# Allegro board nu_2000_main_211102_02.brd
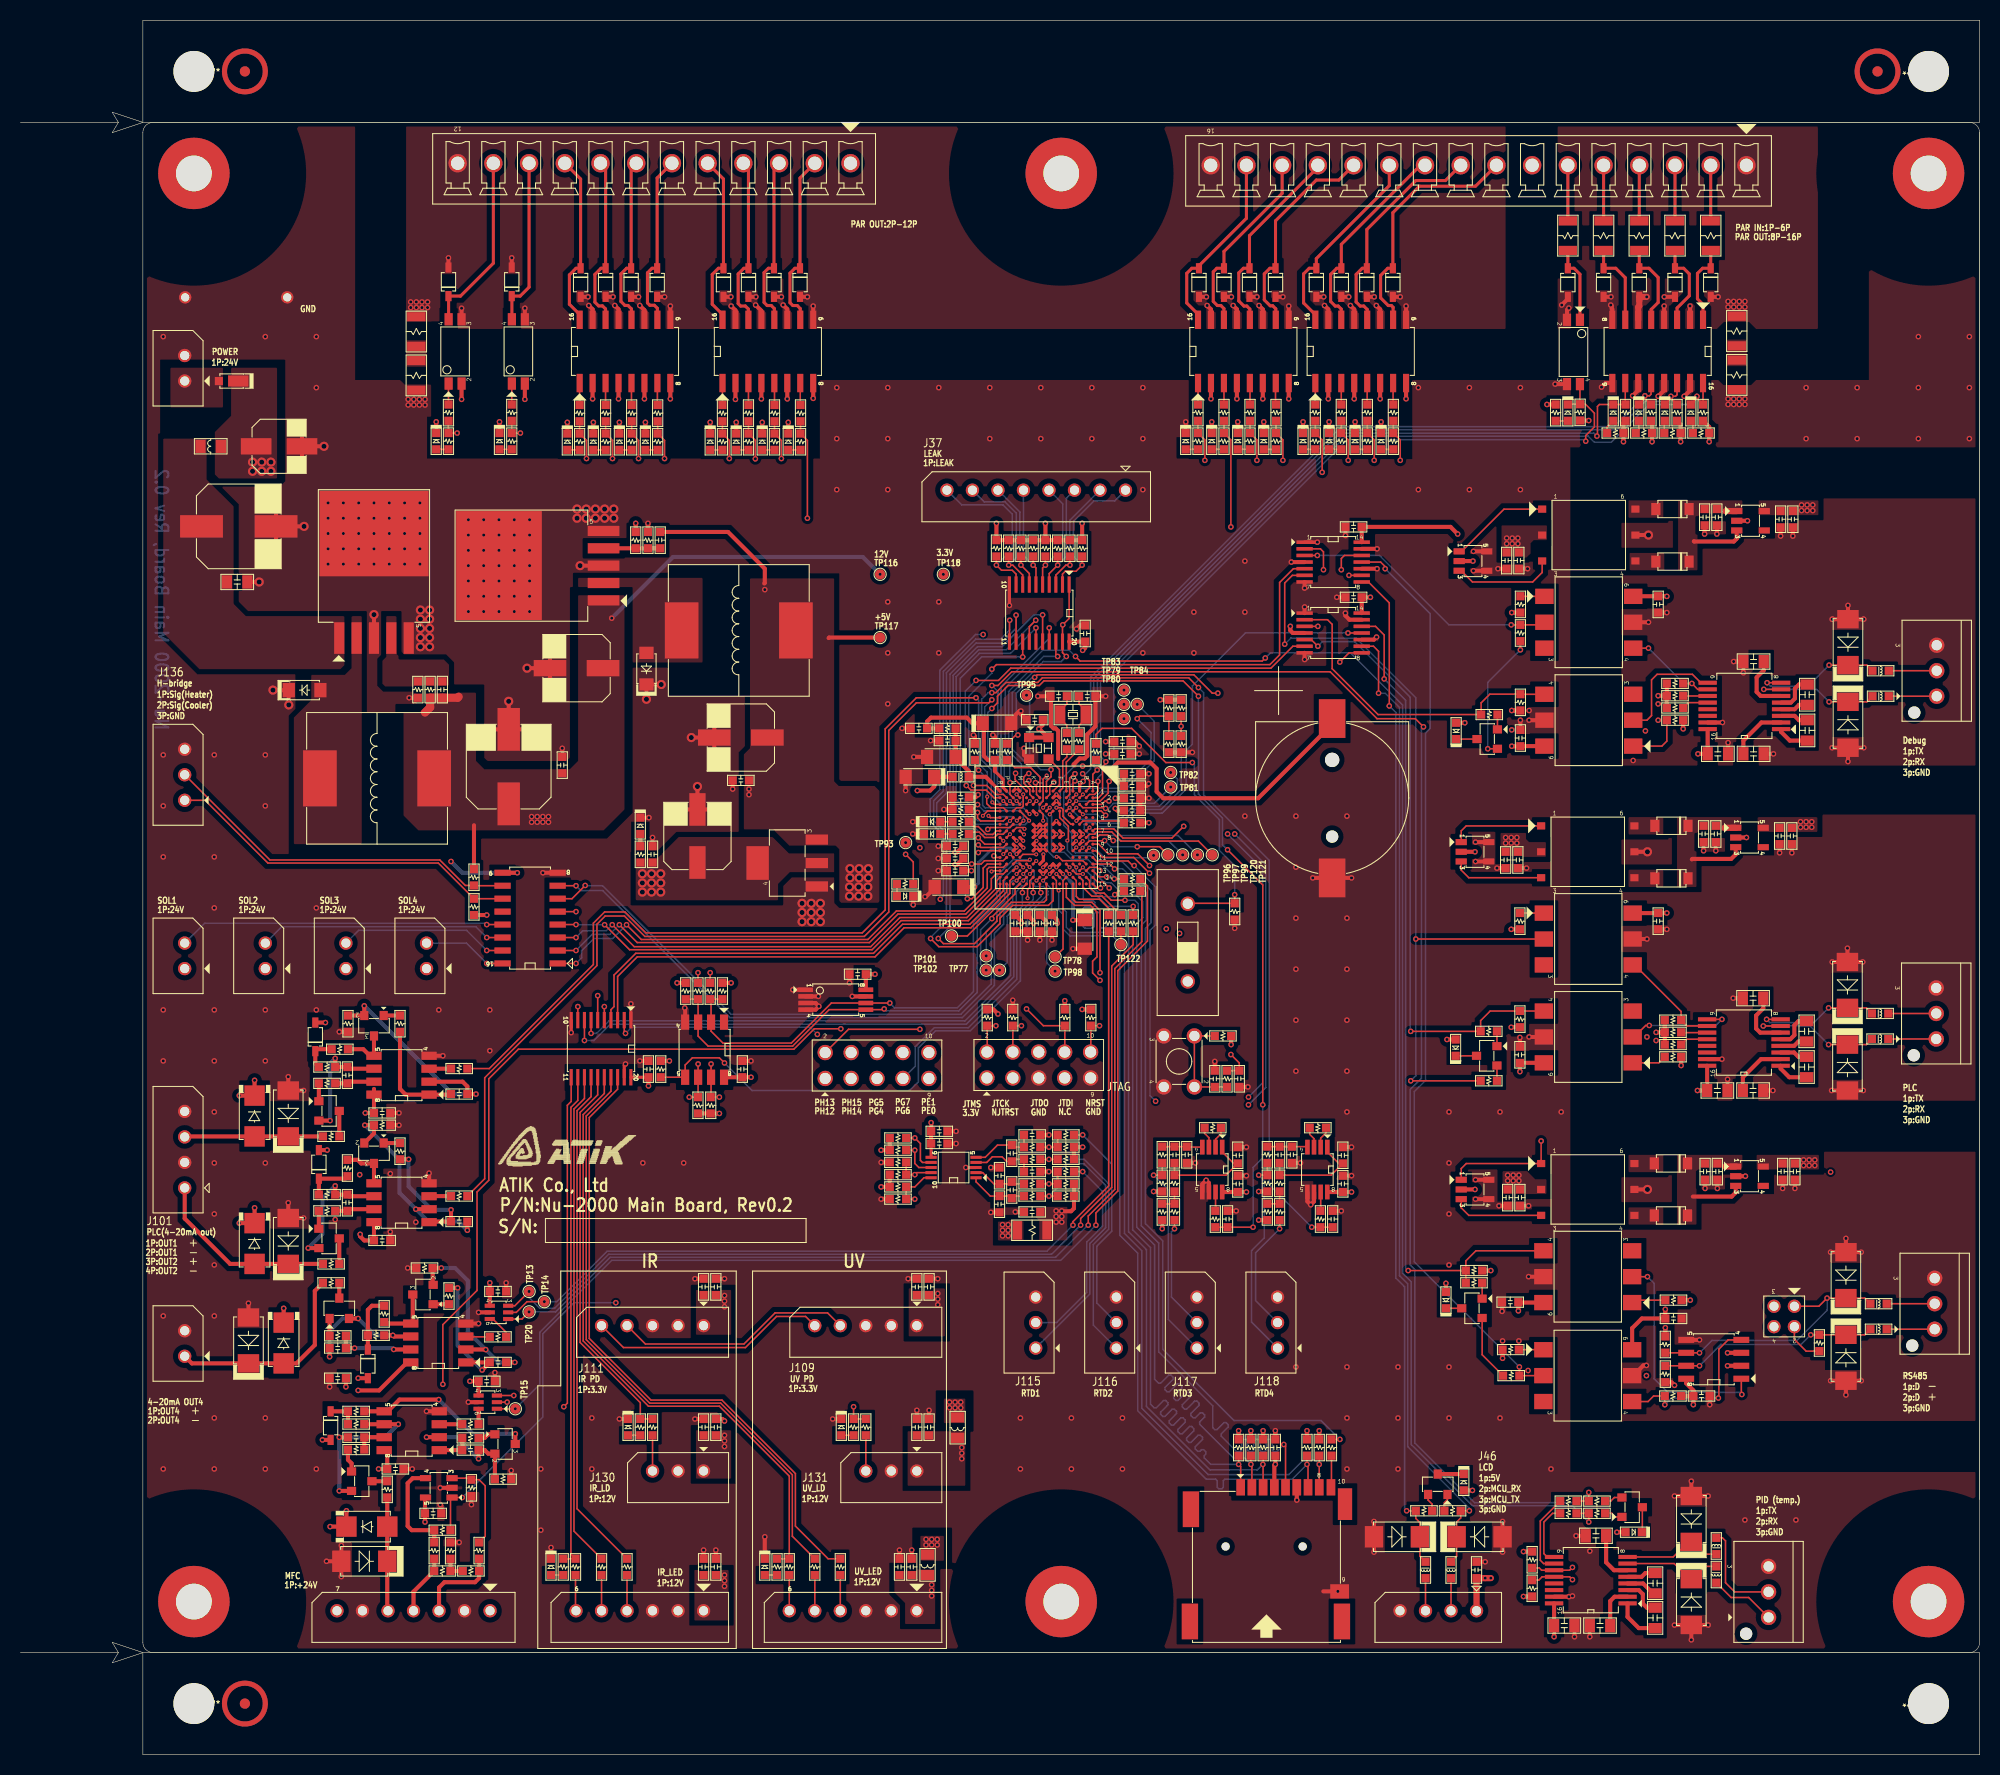
[diagram p0: board, top side]
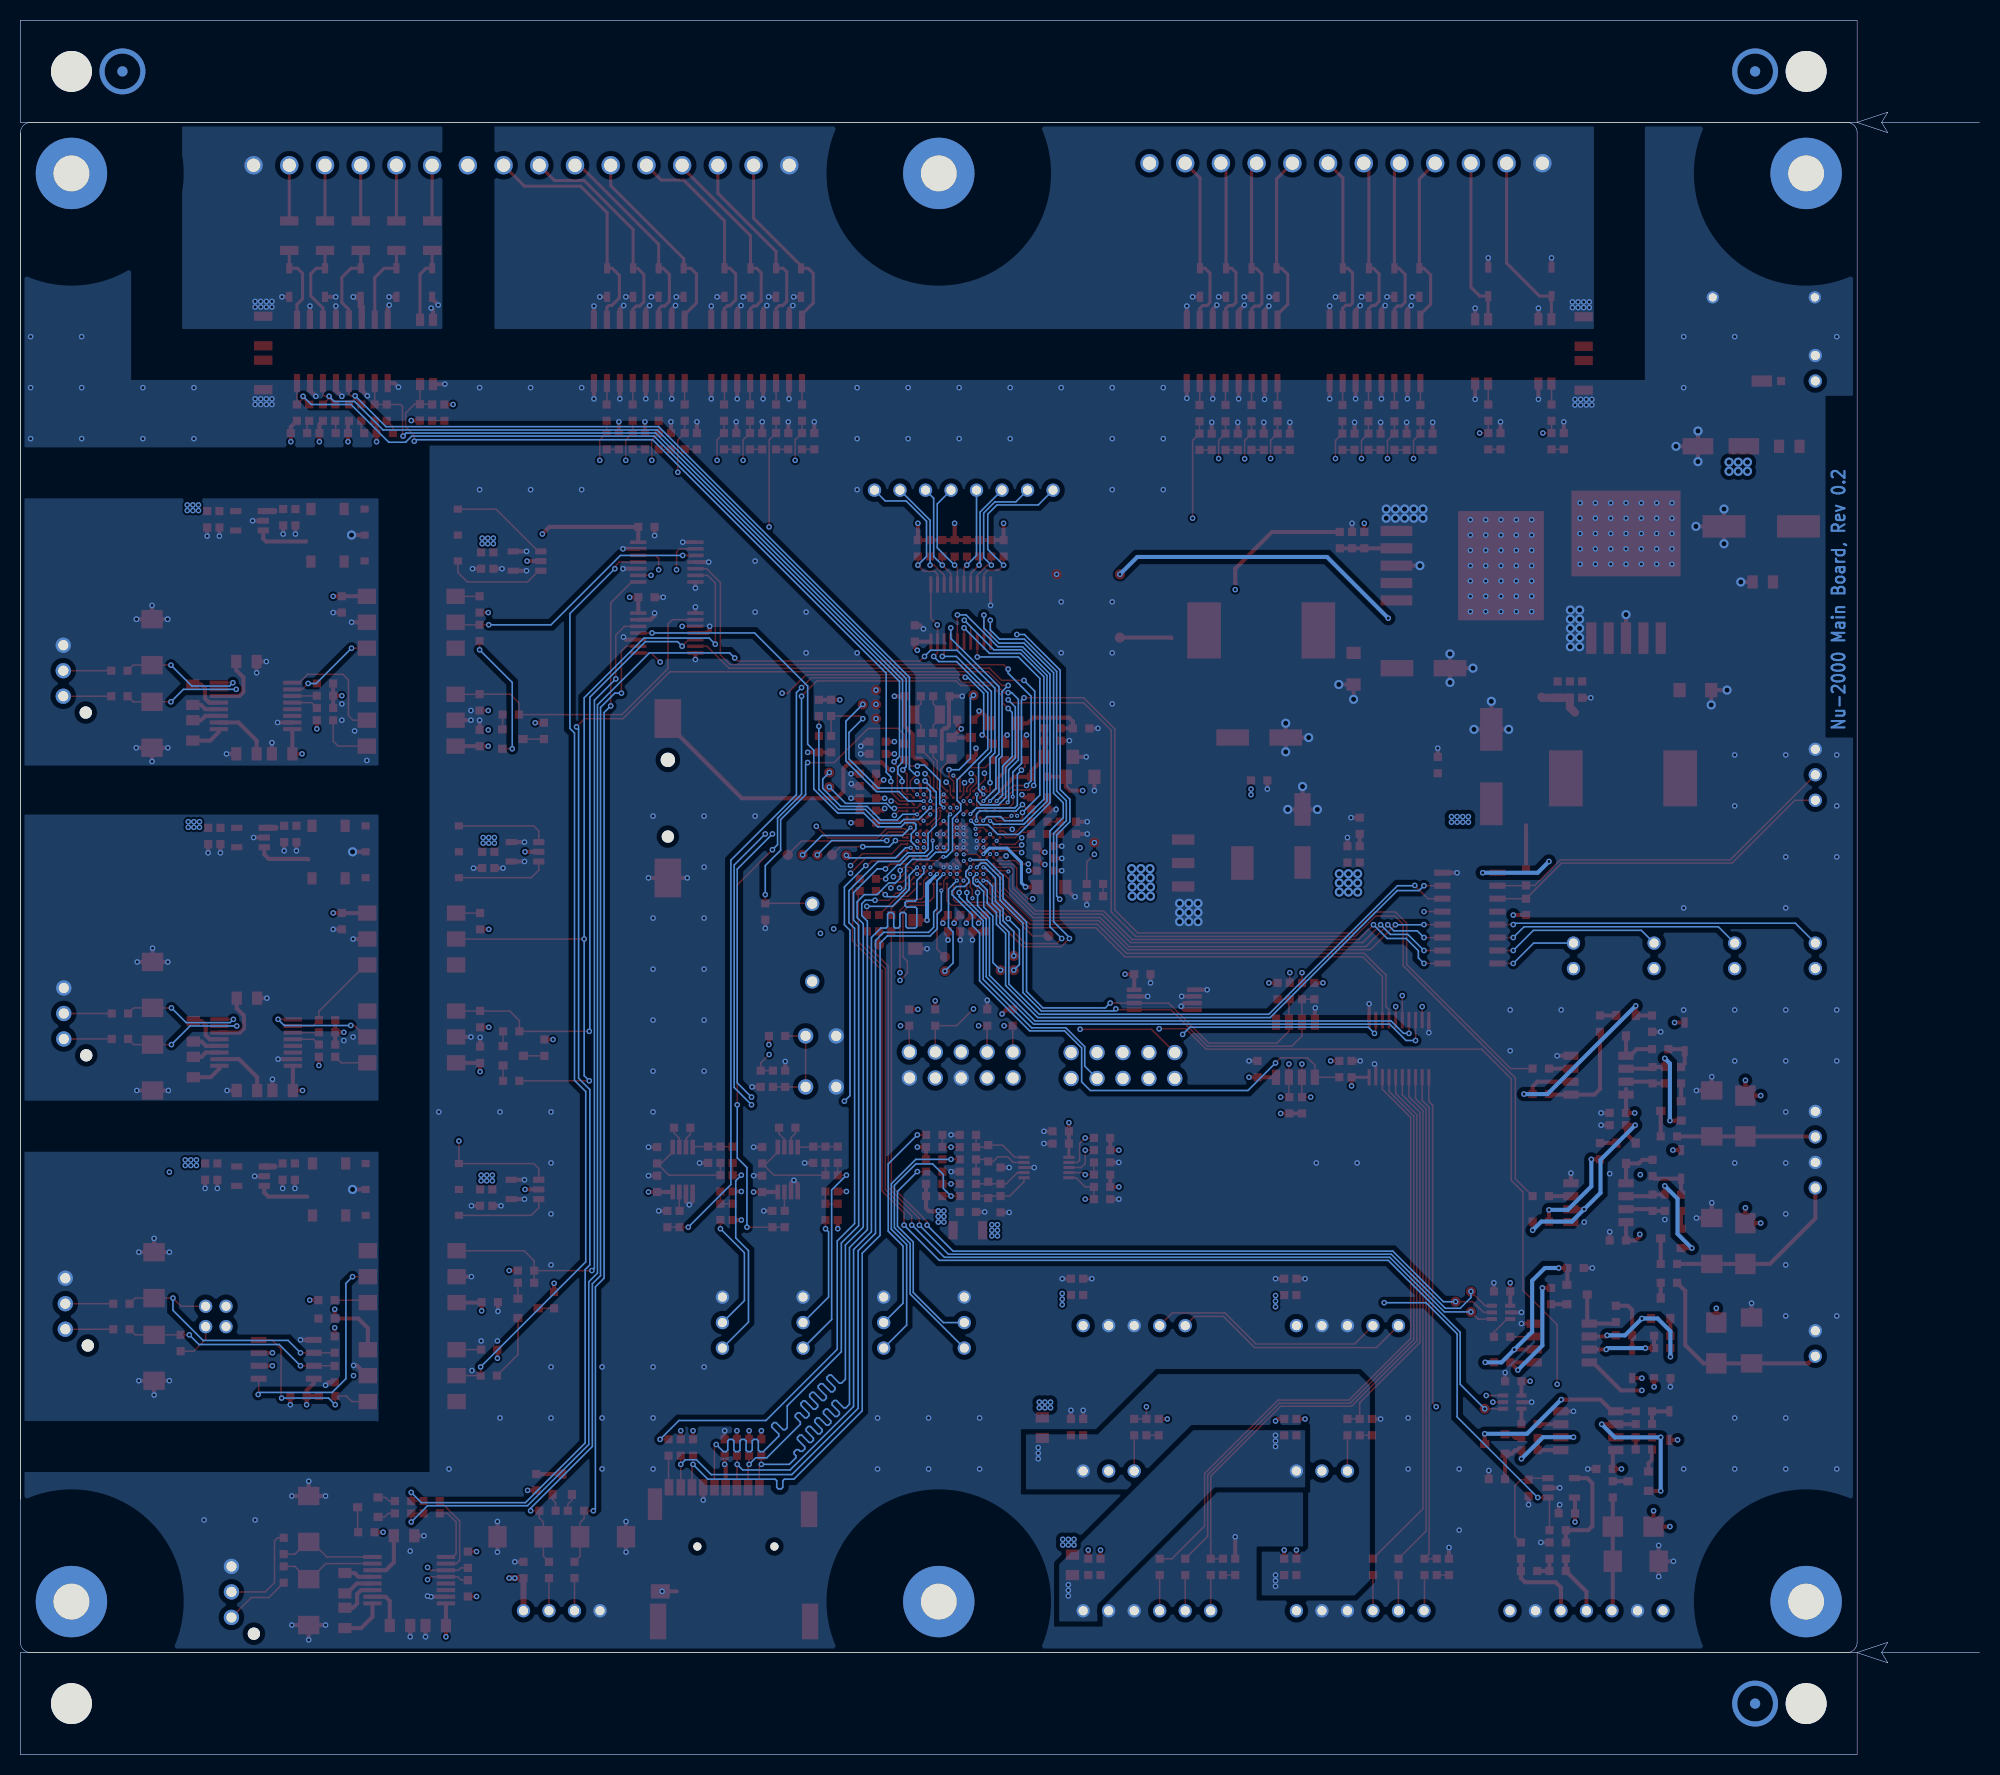
[diagram p1: board, bottom side, seen from below]

Outline 192 x 170 mm; copper layers: TOP, L2-PWR, L3-INT1, L4-INT2, L5-GND, BOTTOM. Coordinates in mm from the lower left corner of the outline.
Outline path: 192,159 arc(191.71,159.71) 191,160 13,160 arc(12.29,159.71) 12,159 12,11 arc(12.29,10.29) 13,10 191,10 arc(191.71,10.29) 192,11 192,159 ; 192,159 192,25 ; 12,170 192,170 192,160 12,160 12,170 ; 12,10 192,10 192,0 12,0 12,10

## Placement (name value [footprint] x y rotation side)
BT1  BC-501SM  [BT_BC501SM_2P]  128.55 93.75 180 top
C1  6.8p/1608  [C1608]  104.55 103.75 0 top
C2  100n/1608  [C1608]  119.45 66.25 90 top
C3  10p/1608  [C1608]  117.05 66.25 270 top
C4  6.8p/1608  [C1608]  101.75 103.75 180 top
C5  2.2u/16V  [TAN_3216A_C]  104.3 80.4 270 top
C6  2.2u/16V  [TAN_3216A_C]  91 85.05 180 top
C7  2.2u/1608  [C1608]  95.5 98.3 270 top
C8  4.7u/16V  [TAN_3216A_C]  88.15 95.85 180 top
C9  100n/1608  [C1608]  108.95 94.95 180 top
C10  100n/1608  [C1608]  92.15 93.85 0 top
C11  2.2u/16V  [TAN_3216A_C]  90.25 97.8 180 top
C12  100n/1608  [C1608]  108.95 93.75 180 top
C13  100n/1608  [C1608]  108.95 92.55 180 top
C14  100n/1608  [C1608]  108.95 96.15 180 top
C15  100n/1608  [C1608]  108 98.1 180 top
C16  100n/1608  [C1608]  108 99.3 180 top
C17  100n/1608  [C1608]  91.6 86.65 0 top
C18  100n/1608  [C1608]  91.6 87.85 0 top
C19  100n/1608  [C1608]  91.6 89.05 0 top
C20  100n/1608  [C1608]  99.9 81.5 90 top
C21  100n/1608  [C1608]  101.1 81.5 90 top
C22  100n/1608  [C1608]  98.7 81.5 90 top
C23  100n/1608  [C1608]  97.5 81.5 90 top
C24  100n/1608  [C1608]  90.85 99.4 0 top
C25  2.2u/16V  [TAN_3216A_C]  95.7 101.1 0 top
C26  100n/1608  [C1608]  88.05 100.6 0 top
C27  100n/1608  [C1608]  122.98 30.1 270 top
C28  NA_100n/1608  [C1608]  82.05 76.5 0 top
C33  100n/1608  [C1608]  53.1 97 270 top
C36  1.5n/1608  [C1608]  41.35 104.4 270 top
C37  100n/1608  [C1608]  61.95 88.25 270 top
C38  10u/35V  [ECAP_500]  25.35 128.25 90 top
C39  100u/35V  [ECAP_800]  21.4 120.4 90 top
C40  100n/2012  [C2012]  21.25 114.95 180 top
C41  100u/10V  [ECAP_630]  66.35 90.05 180 top
C42  220u/25V  [ECAP_800]  47.85 96.85 180 top
C44  100n/1608  [C1608]  104.35 109.9 270 top
C45  100n/1608  [C1608]  45.7 36.6 180 top
C48  100n/1608  [C1608]  46.8 45.4 180 top
C62  100n/2012  [C2012]  160.2 13.4 270 top
C63  100n/2012  [C2012]  151.3 12.65 0 top
C64  100n/2012  [C2012]  160.2 16.8 270 top
C65  100n/2012  [C2012]  154.4 21.45 0 top
C66  100n/2012  [C2012]  154.8 12.65 0 top
C102  100n/1608  [C1608]  90.05 59.9 180 top
C103  10uF/1608  [C1608]  90.05 61.1 180 top
C117  100n/1608  [C1608]  99.4 101.45 0 top
C142  100n/1608  [C1608]  119.3 55.95 270 top
C143  100n/1608  [C1608]  118.3 52.5 270 top
C144  100n/1608  [C1608]  129.6 55.95 270 top
C145  100n/1608  [C1608]  128.6 52.5 270 top
C146  10uF/1608  [C1608]  66.95 45.85 270 top
C147  100n/1608  [C1608]  68.15 45.85 270 top
C150  10uF/1608  [C1608]  87.85 45.85 270 top
C151  100n/1608  [C1608]  89.05 45.85 270 top
C154  10uF/1608  [C1608]  99.15 53.2 180 top
C155  100n/1608  [C1608]  113.1 58.8 270 top
C156  10n/1608  [C1608]  119.3 58.75 270 top
C157  10n/1608  [C1608]  114.3 58.8 90 top
C158  100n/1608  [C1608]  123.4 58.8 270 top
C159  10n/1608  [C1608]  129.6 58.75 270 top
C160  10n/1608  [C1608]  124.6 58.8 90 top
C172  10uF/1608  [C1608]  86.15 18.4 270 top
C173  100n/1608  [C1608]  87.35 18.4 270 top
C174  10uF/1608  [C1608]  66.95 18.4 270 top
C175  100n/1608  [C1608]  68.15 18.4 270 top
C178  100n/1608  [C1608]  40.45 23.65 180 top
C179  10n/1608  [C1608]  95.95 53.95 90 top
C180  100n/1608  [C1608]  97.15 55.35 270 top
C181  10n/1608  [C1608]  95.95 56.75 270 top
C182  10n/1608  [C1608]  99.15 57.15 180 top
C183  10n/1608  [C1608]  99.15 60.75 180 top
C184  100n/1608  [C1608]  97.15 58.95 270 top
C190  100n/1608  [C1608]  164.75 35.15 180 top
C192  100n/1608  [C1608]  130.65 120.35 0 top
C194  100n/1608  [C1608]  142.7 18.1 90 top
C199  100n/1608  [C1608]  130.65 113.45 0 top
C212  100n/2012  [C2012]  175.1 100.4 270 top
C213  100n/2012  [C2012]  166.35 98.1 0 top
C214  100n/2012  [C2012]  169.85 107.15 0 top
C215  100n/2012  [C2012]  169.85 98.1 180 top
C216  100n/2012  [C2012]  175.1 103.9 270 top
C223  100n/2012  [C2012]  175.05 67.4 270 top
C224  100n/2012  [C2012]  166.3 65.1 0 top
C225  100n/2012  [C2012]  169.8 74.15 0 top
C226  100n/2012  [C2012]  169.8 65.1 180 top
C227  100n/2012  [C2012]  175.05 70.9 270 top
C232  100n/1608  [C1608]  145.65 117.05 90 top
C233  10uF/1608  [C1608]  146.85 117.05 90 top
C234  100n/1608  [C1608]  166.25 121.3 90 top
C235  10uF/1608  [C1608]  172.5 121.1 90 top
C236  100n/1608  [C1608]  173.7 121.1 90 top
C237  10uF/1608  [C1608]  165.05 121.3 90 top
C238  100n/1608  [C1608]  160.5 112.75 90 top
C239  100n/1608  [C1608]  147 99.65 270 top
C240  10uF/1608  [C1608]  164.95 90.25 90 top
C241  100n/1608  [C1608]  166.15 90.25 90 top
C242  10uF/1608  [C1608]  172.4 90.05 90 top
C243  100n/1608  [C1608]  160.5 81.7 90 top
C244  100n/1608  [C1608]  146.95 68.6 270 top
C245  10uF/1608  [C1608]  146.75 87.7 90 top
C246  100n/1608  [C1608]  173.6 90.05 90 top
C247  100n/1608  [C1608]  145.55 87.7 90 top
C248  10uF/1608  [C1608]  165.1 57.15 90 top
C249  100n/1608  [C1608]  166.3 57.15 90 top
C250  10uF/1608  [C1608]  173.9 57.15 90 top
C251  100n/1608  [C1608]  172.7 57.15 90 top
C252  100n/1608  [C1608]  145.75 54.6 90 top
C253  10uF/1608  [C1608]  146.95 54.6 90 top
C254  100n/1608  [C1608]  162 42.75 180 top
C255  100n/1608  [C1608]  146 44.35 0 top
C256  10uF/1608  [C1608]  66.95 32.1 270 top
C257  100n/1608  [C1608]  68.15 32.1 270 top
C258  10uF/1608  [C1608]  89.05 32.1 270 top
C259  100n/1608  [C1608]  87.85 32.1 270 top
C260  100n/1608  [C1608]  61.55 67.2 270 top
C261  100n/1608  [C1608]  70.75 67.2 270 top
C262  1.5n/1608  [C1608]  62.7 119.05 90 top
C263  100u/25V  [ECAP_630]  54.5 106.5 270 top
C264  220u/16V  [ECAP_630]  70.6 99.7 270 top
C265  100n/1608  [C1608]  70.6 95.5 0 top
C266  220p/1608  [C1608]  43 52.25 0 top
C267  100n/1608  [C1608]  35.45 50.4 0 top
C268  220p/1608  [C1608]  32.05 54.1 90 top
C269  100n/1608  [C1608]  35.45 62.9 0 top
C270  220p/1608  [C1608]  32.05 66.6 90 top
C271  220p/1608  [C1608]  43 64.75 0 top
C272  100n/1608  [C1608]  36.75 28 0 top
C273  220p/1608  [C1608]  32.9 31.1 180 top
C274  220p/1608  [C1608]  44.1 29.85 0 top
C275  100n/1608  [C1608]  31.1 36.9 180 top
C276  220p/1608  [C1608]  31.1 39.85 180 top
C277  220p/1608  [C1608]  46.8 38.45 0 top
D27  LTST-C193KGKT-5A  [LED1608]  89.35 91.45 0 top
D28  LTST-C193KRKT-5A  [LED1608]  89.35 90.25 0 top
D31  MSS1P6-M3/89A  [DO_219AD_2P]  20.7 134.65 180 top
D33  SS34FA  [SOD123FL_2P]  27.85 104.35 0 top
D60  LTST-C193KSKT-5A  [LED1608]  86.7 84.15 180 top
D61  LTST-C193KRKT-5A  [LED1608]  60.75 91.05 270 top
D70  LTST-C193KRKT-5A  [LED1608]  141.45 26.7 270 top
D71  LTST-C193KRKT-5A  [LED1608]  158.1 21.8 180 top
D72  LTST-C193KRKT-5A  [LED1608]  140.7 100.35 90 top
D73  LTST-C193KRKT-5A  [LED1608]  140.65 69.3 90 top
D74  LTST-C193KRKT-5A  [LED1608]  139.7 44.55 90 top
D75  SS16T3G  [D240_SMA_2P_A]  22.95 50.1 90 top
D76  SS16T3G  [D240_SMA_2P_A]  22.95 62.6 90 top
D77  SS16T3G  [D240_SMA_2P_A]  33.95 22.35 180 top
D78  SS16T3G  [D240_SMA_2P_A]  25.8 40.35 90 top
D79  SMAJ40CA  [D_DO_214AC_2P_E]  26.25 50.35 270 top
D80  SMAJ40CA  [D_DO_214AC_2P_E]  26.25 62.85 270 top
D81  SMAJ40CA  [D_DO_214AC_2P_E]  33.7 18.95 0 top
D82  SMAJ40CA  [D_DO_214AC_2P_E]  22.35 40.6 270 top
D83  SMAJ40CA  [D_DO_214AC_2P_E]  179.1 100.95 90 top
D84  SMAJ40CA  [D_DO_214AC_2P_E]  179.1 109.05 270 top
D85  SMAJ40CA  [D_DO_214AC_2P_E]  179.05 67.35 90 top
D86  SMAJ40CA  [D_DO_214AC_2P_E]  179.05 75.45 270 top
D87  SMAJ40CA  [D_DO_214AC_2P_E]  143 21.35 180 top
D88  SMAJ40CA  [D_DO_214AC_2P_E]  134.9 21.35 0 top
D89  SMAJ40CA  [D_DO_214AC_2P_E]  163.75 14.95 90 top
D90  SMAJ40CA  [D_DO_214AC_2P_E]  163.75 23.1 270 top
D92  SMAJ40CA  [D_DO_214AC_2P_E]  178.9 38.9 90 top
D93  SMAJ40CA  [D_DO_214AC_2P_E]  178.9 47 270 top
D121  1N4148WS  [SOD323_2P_L]  165.65 144.3 270 top
D122  1N4148WS  [SOD323_2P_L]  162.15 144.3 270 top
D123  1N4148WS  [SOD323_2P_L]  158.65 144.3 270 top
D124  1N4148WS  [SOD323_2P_L]  155.15 144.3 270 top
D125  1N4148WS  [SOD323_2P_L]  151.65 144.3 270 top
D126  1N4148WS  [SOD323_2P_L]  127 144.3 270 top
D127  1N4148WS  [SOD323_2P_L]  129.45 144.3 270 top
D128  1N4148WS  [SOD323_2P_L]  131.95 144.3 270 top
D129  1N4148WS  [SOD323_2P_L]  134.5 144.3 270 top
D130  1N4148WS  [SOD323_2P_L]  115.5 144.3 270 top
D131  1N4148WS  [SOD323_2P_L]  117.95 144.3 270 top
D132  1N4148WS  [SOD323_2P_L]  120.45 144.3 270 top
D133  1N4148WS  [SOD323_2P_L]  123 144.3 270 top
D134  1N4148WS  [SOD323_2P_L]  68.9 144.3 270 top
D135  1N4148WS  [SOD323_2P_L]  71.35 144.3 270 top
D136  1N4148WS  [SOD323_2P_L]  73.85 144.3 270 top
D137  1N4148WS  [SOD323_2P_L]  76.4 144.3 270 top
D138  1N4148WS  [SOD323_2P_L]  54.9 144.3 270 top
D139  1N4148WS  [SOD323_2P_L]  57.35 144.3 270 top
D140  1N4148WS  [SOD323_2P_L]  59.85 144.3 270 top
D141  1N4148WS  [SOD323_2P_L]  62.4 144.3 270 top
D142  1N4148WS  [SOD323_2P_L]  41.95 144.38 90 top
D143  1N4148WS  [SOD323_2P_L]  48.15 144.38 90 top
D145  LTST-C193KRKT-5A  [LED1608]  72.95 18.4 270 top
D147  LTST-C193KRKT-5A  [LED1608]  52 18.4 270 top
D148  MBR0520  [SOD123_2P_G]  161.9 122.1 180 top
D149  MBR0520  [SOD123_2P_G]  161.9 116.95 180 top
D150  MBR0520  [SOD123_2P_G]  161.8 91.05 180 top
D151  MBR0520  [SOD123_2P_G]  161.8 85.9 180 top
D152  MBR0520  [SOD123_2P_G]  161.75 57.95 180 top
D153  MBR0520  [SOD123_2P_G]  161.75 52.85 180 top
D154  LTST-C193KRKT-5A  [LED1608]  59.55 32.1 270 top
D155  LTST-C193KRKT-5A  [LED1608]  80.45 32.1 270 top
D156  SS34FA  [SOD123FL_2P]  61.35 106.45 90 top
D157  LTST-C193KRKT-5A  [LED1608]  163.7 131.55 270 top
D158  LTST-C193KRKT-5A  [LED1608]  161.15 131.55 270 top
D159  LTST-C193KRKT-5A  [LED1608]  158.6 131.55 270 top
D160  LTST-C193KRKT-5A  [LED1608]  156.1 131.55 270 top
D161  LTST-C193KRKT-5A  [LED1608]  151.65 131.55 270 top
D162  LTST-C193KRKT-5A  [LED1608]  133.35 128.75 270 top
D163  LTST-C193KRKT-5A  [LED1608]  130.8 128.75 270 top
D164  LTST-C193KRKT-5A  [LED1608]  128.25 128.75 270 top
D165  LTST-C193KRKT-5A  [LED1608]  125.7 128.75 270 top
D166  LTST-C193KRKT-5A  [LED1608]  121.85 128.75 270 top
D167  LTST-C193KRKT-5A  [LED1608]  119.3 128.75 270 top
D168  LTST-C193KRKT-5A  [LED1608]  116.75 128.75 270 top
D169  LTST-C193KRKT-5A  [LED1608]  114.2 128.75 270 top
D170  LTST-C193KRKT-5A  [LED1608]  75.25 128.7 270 top
D171  LTST-C193KRKT-5A  [LED1608]  72.7 128.7 270 top
D172  LTST-C193KRKT-5A  [LED1608]  70.15 128.7 270 top
D173  LTST-C193KRKT-5A  [LED1608]  67.6 128.7 270 top
D174  LTST-C193KRKT-5A  [LED1608]  61.25 128.7 270 top
D175  LTST-C193KRKT-5A  [LED1608]  58.7 128.7 270 top
D176  LTST-C193KRKT-5A  [LED1608]  56.15 128.7 270 top
D177  LTST-C193KRKT-5A  [LED1608]  53.6 128.7 270 top
D178  LTST-C193KRKT-5A  [LED1608]  46.95 128.75 270 top
D179  LTST-C193KRKT-5A  [LED1608]  40.75 128.75 270 top
D180  1N4148WS  [SOD323_2P_L]  29.25 57.86 90 top
D181  1N4148WS  [SOD323_2P_L]  28.9 70.36 90 top
D182  1N4148WS  [SOD323_2P_L]  30.4 32.25 270 top
D183  1N4148WS  [SOD323_2P_L]  34.05 38.3 270 top
J33  PJS008-2003-1  [CONN_PJS008_9P]  122.11 13.05 0 top
J34  PH2-10-UA  [CONN_PH2_10_UA_10P_A]  99.8 67.6 0 top
J36  5267-02A  [CONN_ST_5267_2P]  16.1 135.9 270 top
J37  5267-08A  [CONN_ST_5267_8P]  99.55 123.95 0 top
J44  53375-0310  [CONN_533750310_3P]  187.8 106.25 270 top
J45  53375-0310  [CONN_533750310_3P]  187.75 72.65 270 top
J46  5267-04A  [CONN_ST_5267_4P]  138.95 14.1 0 top
J47  53375-0310  [CONN_533750310_3P]  171.32 15.95 270 top
J48  53375-0310  [CONN_533750310_3P]  187.6 44.2 270 top
J52  395011016  [CONN_39501_1016_16P]  142.9 155.8 180 top
J53  395011012  [CONN_39501_1012_12P]  62.1 156 180 top
J101  5267-04A  [CONN_ST_5267_4P]  16.1 59.3 270 top
J107  5267-06A  [CONN_ST_5267_6P]  81.6 14.1 0 top
J108  5267-06A  [CONN_ST_5267_6P]  60.7 14.1 0 top
J109  5267-05A  [CONN_ST_5267_5P]  82.85 42.05 0 top
J111  5267-05A  [CONN_ST_5267_5P]  61.95 42.05 0 top
J115  5267-03A  [CONN_ST_5267_3P]  99.5 42.35 270 top
J116  5267-03A  [CONN_ST_5267_3P]  107.4 42.35 270 top
J117  5267-03A  [CONN_ST_5267_3P]  115.3 42.35 270 top
J118  5267-03A  [CONN_ST_5267_3P]  123.2 42.35 270 top
J119  5267-07A  [CONN_ST_5267_7P]  38.52 14.1 0 top
J120  5267-02A  [CONN_ST_5267_2P]  16.1 40.3 270 top
J121  PH2-10-UA  [CONN_PH2_10_UA_10P_A]  83.95 67.55 0 top
J129  JUMPER1  [JUMPER_2P]  21.15 142.85 180 top
J130  5267-03A  [CONN_ST_5267_3P]  64.45 27.8 0 top
J131  5267-03A  [CONN_ST_5267_3P]  85.35 27.8 0 top
J132  5267-02A  [CONN_ST_5267_2P]  16.1 78.3 270 top
J133  5267-02A  [CONN_ST_5267_2P]  24 78.3 270 top
J134  5267-02A  [CONN_ST_5267_2P]  31.9 78.3 270 top
J135  5267-02A  [CONN_ST_5267_2P]  39.8 78.3 270 top
J136  5267-03A  [CONN_ST_5267_3P]  16.1 96.05 270 top
JP1  JUMPER2  [CONN_PH2_04_UA_4P]  172.85 42.95 180 top
L1  MPZ1608S601ATA00  [B1608]  92.15 95.85 0 top
L2  MDE1250-470M  [L_MDE1250_2P]  34.95 95.7 0 top
L3  MH2029-601Y  [L2012]  18.65 128.25 180 top
L8  MMZ1608D100CTAH0  [B1608]  182.3 103.75 0 top
L9  MMZ1608D100CTAH0  [B1608]  182.3 106.25 0 top
L10  MMZ1608D100CTAH0  [B1608]  182.25 70.15 0 top
L11  MMZ1608D100CTAH0  [B1608]  182.25 72.65 0 top
L12  MMZ1608D100CTAH0  [B1608]  137.7 18.1 270 top
L13  MMZ1608D100CTAH0  [B1608]  140.2 18.1 270 top
L14  MMZ1608D100CTAH0  [B1608]  166.2 17.65 270 top
L15  MMZ1608D100CTAH0  [B1608]  166.2 20.45 90 top
L16  MMZ1608D100CTAH0  [B1608]  182.1 41.7 0 top
L17  MMZ1608D100CTAH0  [B1608]  182.1 44.2 0 top
L20  MH2029-601Y  [L2012]  88.9 18.6 270 top
L21  MH2029-601Y  [L2012]  91.85 32.05 270 top
L22  MDE1250-470M  [L_MDE1250_2P]  70.4 110.2 0 top
NOREF  -  []  93.45 65.1 0 top
NOREF#2  -  []  81.6 14.1 90 top
NOREF#3  -  []  173.05 100.35 90 top
NOREF#4  -  []  48.15 142.97 90 top
NOREF#5  -  []  185.4 40.1 0 top
NOREF#6  -  []  167.4 139.55 90 top
NOREF#7  -  []  118.11 20.4 90 top
NOREF#8  -  []  131 113.3 90 top
NOREF#9  -  []  136.2 133.55 90 top
NOREF#10  -  []  157.7 17.25 0 top
NOREF#11  -  []  24.15 132.55 90 top
NOREF#12  -  []  40.45 44.15 90 top
NOREF#13  -  []  159.3 90.35 90 top
NOREF#14  -  []  96.4 143.65 0 top
NOREF#15  -  []  185.4 40.1 90 top
NOREF#16  -  []  129.95 84.05 90 top
NOREF#17  -  []  158.15 150.5 0 top
NOREF#18  -  []  156.4 12.6 90 top
NOREF#19  -  []  21.85 133.95 0 top
NOREF#20  -  []  54.05 144.6 0 top
NOREF#21  -  []  181.1 39.25 0 top
NOREF#22  -  []  36.9 134.3 0 top
NOREF#23  -  []  175.9 74.3 0 top
NOREF#24  -  []  119.6 144.6 0 top
NOREF#25  -  []  139.85 25.5 90 top
NOREF#26  -  []  124.7 133.55 90 top
NOREF#27  -  []  125.85 108 0 top
NOREF#28  -  []  126.12 59.55 0 top
NOREF#29  -  []  129.36 11 90 top
NOREF#30  -  []  162.85 145.2 0 top
NOREF#31  -  []  143.25 42.8 90 top
NOREF#32  -  []  33.15 69.35 90 top
NOREF#33  -  []  45.4 40.85 90 top
NOREF#34  -  []  151.65 142.9 90 top
NOREF#35  -  []  135.2 145.2 0 top
NOREF#36  -  []  32.2 42.75 90 top
NOREF#37  -  []  16.15 142.85 0 top
NOREF#38  -  []  101.9 101.95 0 top
NOREF#39  -  []  131.75 20.2 0 top
NOREF#40  -  []  62.4 142.9 90 top
NOREF#41  -  []  101.2 98.9 0 top
NOREF#42  -  []  175.9 66.2 0 top
NOREF#43  -  []  164.85 148.9 90 top
NOREF#44  -  []  129.45 142.9 90 top
NOREF#45  -  []  48.2 27.55 90 top
NOREF#46  -  []  105.5 143.8 0 top
NOREF#47  -  []  129.28 16 90 top
NOREF#48  -  []  59.83 66.4 90 top
NOREF#49  -  []  150.3 14.82 90 top
NOREF#50  -  []  151.2 14.9 90 top
NOREF#51  -  []  31.15 25.3 0 top
NOREF#52  -  []  137 143.8 90 top
NOREF#53  -  []  39.7 25.2 90 top
NOREF#54  -  []  120.45 142.9 90 top
NOREF#55  -  []  32.45 25.85 90 top
NOREF#56  -  []  157.6 111.05 90 top
NOREF#57  -  []  98.35 101.2 0 top
NOREF#58  -  []  159.82 121.4 0 top
NOREF#59  -  []  29.9 42.3 90 top
NOREF#60  -  []  19.7 50.95 0 top
NOREF#61  -  []  33.3 70 90 top
NOREF#62  -  []  117.1 144.6 0 top
NOREF#63  -  []  26.2 61.75 90 top
NOREF#64  -  []  144.75 98.6 90 top
NOREF#65  -  []  98.15 52.3 0 top
NOREF#66  -  []  30.7 23.2 0 top
NOREF#67  -  []  163.05 111.25 90 top
NOREF#68  -  []  177.55 40.4 0 top
NOREF#69  -  []  69.4 11 90 top
NOREF#70  -  []  154.35 148.9 90 top
NOREF#71  -  []  149.75 80.35 90 top
NOREF#72  -  []  163.95 37.25 90 top
NOREF#73  -  []  161.15 143.8 90 top
NOREF#74  -  []  112.05 70.45 0 top
NOREF#75  -  []  101.55 98.2 90 top
NOREF#76  -  []  36.55 37.8 90 top
NOREF#77  -  []  117.78 55.15 90 top
NOREF#78  -  []  175.95 106.75 0 top
NOREF#79  -  []  141 116.05 0 top
NOREF#80  -  []  90.2 84.05 0 top
NOREF#81  -  []  76.35 143.8 90 top
NOREF#82  -  []  16.85 49.4 90 top
NOREF#83  -  []  34.05 36.9 90 top
NOREF#84  -  []  55.6 111.42 90 top
NOREF#85  -  []  149.2 49.95 90 top
NOREF#86  -  []  114.6 135.2 90 top
NOREF#87  -  []  30.35 69.1 0 top
NOREF#88  -  []  163.75 20.85 90 top
NOREF#89  -  []  127 142.9 90 top
NOREF#90  -  []  105.1 85.35 90 top
NOREF#91  -  []  178.9 36.65 90 top
NOREF#92  -  []  72.9 14.9 0 top
NOREF#93  -  []  24.9 64.35 0 top
NOREF#94  -  []  35.75 46.6 0 top
NOREF#95  -  []  175.9 70.25 90 top
NOREF#96  -  []  159.68 57.25 0 top
NOREF#97  -  []  54 135.2 90 top
NOREF#98  -  []  112.05 65.45 90 top
NOREF#99  -  []  59.85 142.9 90 top
NOREF#100  -  []  27.05 20.85 0 top
NOREF#101  -  []  157.8 144.6 0 top
NOREF#102  -  []  37.8 136.1 0 top
NOREF#103  -  []  36.9 134.3 90 top
NOREF#104  -  []  149.03 85.96 90 top
NOREF#105  -  []  191.3 134.65 90 top
NOREF#106  -  []  157.53 85.05 0 top
NOREF#107  -  []  177.55 48.5 0 top
NOREF#108  -  []  172.85 41.2 0 top
NOREF#109  -  []  168.1 55.75 0 top
NOREF#110  -  []  19.05 133.7 0 top